# Allegro board STANDARD.brd (continued)
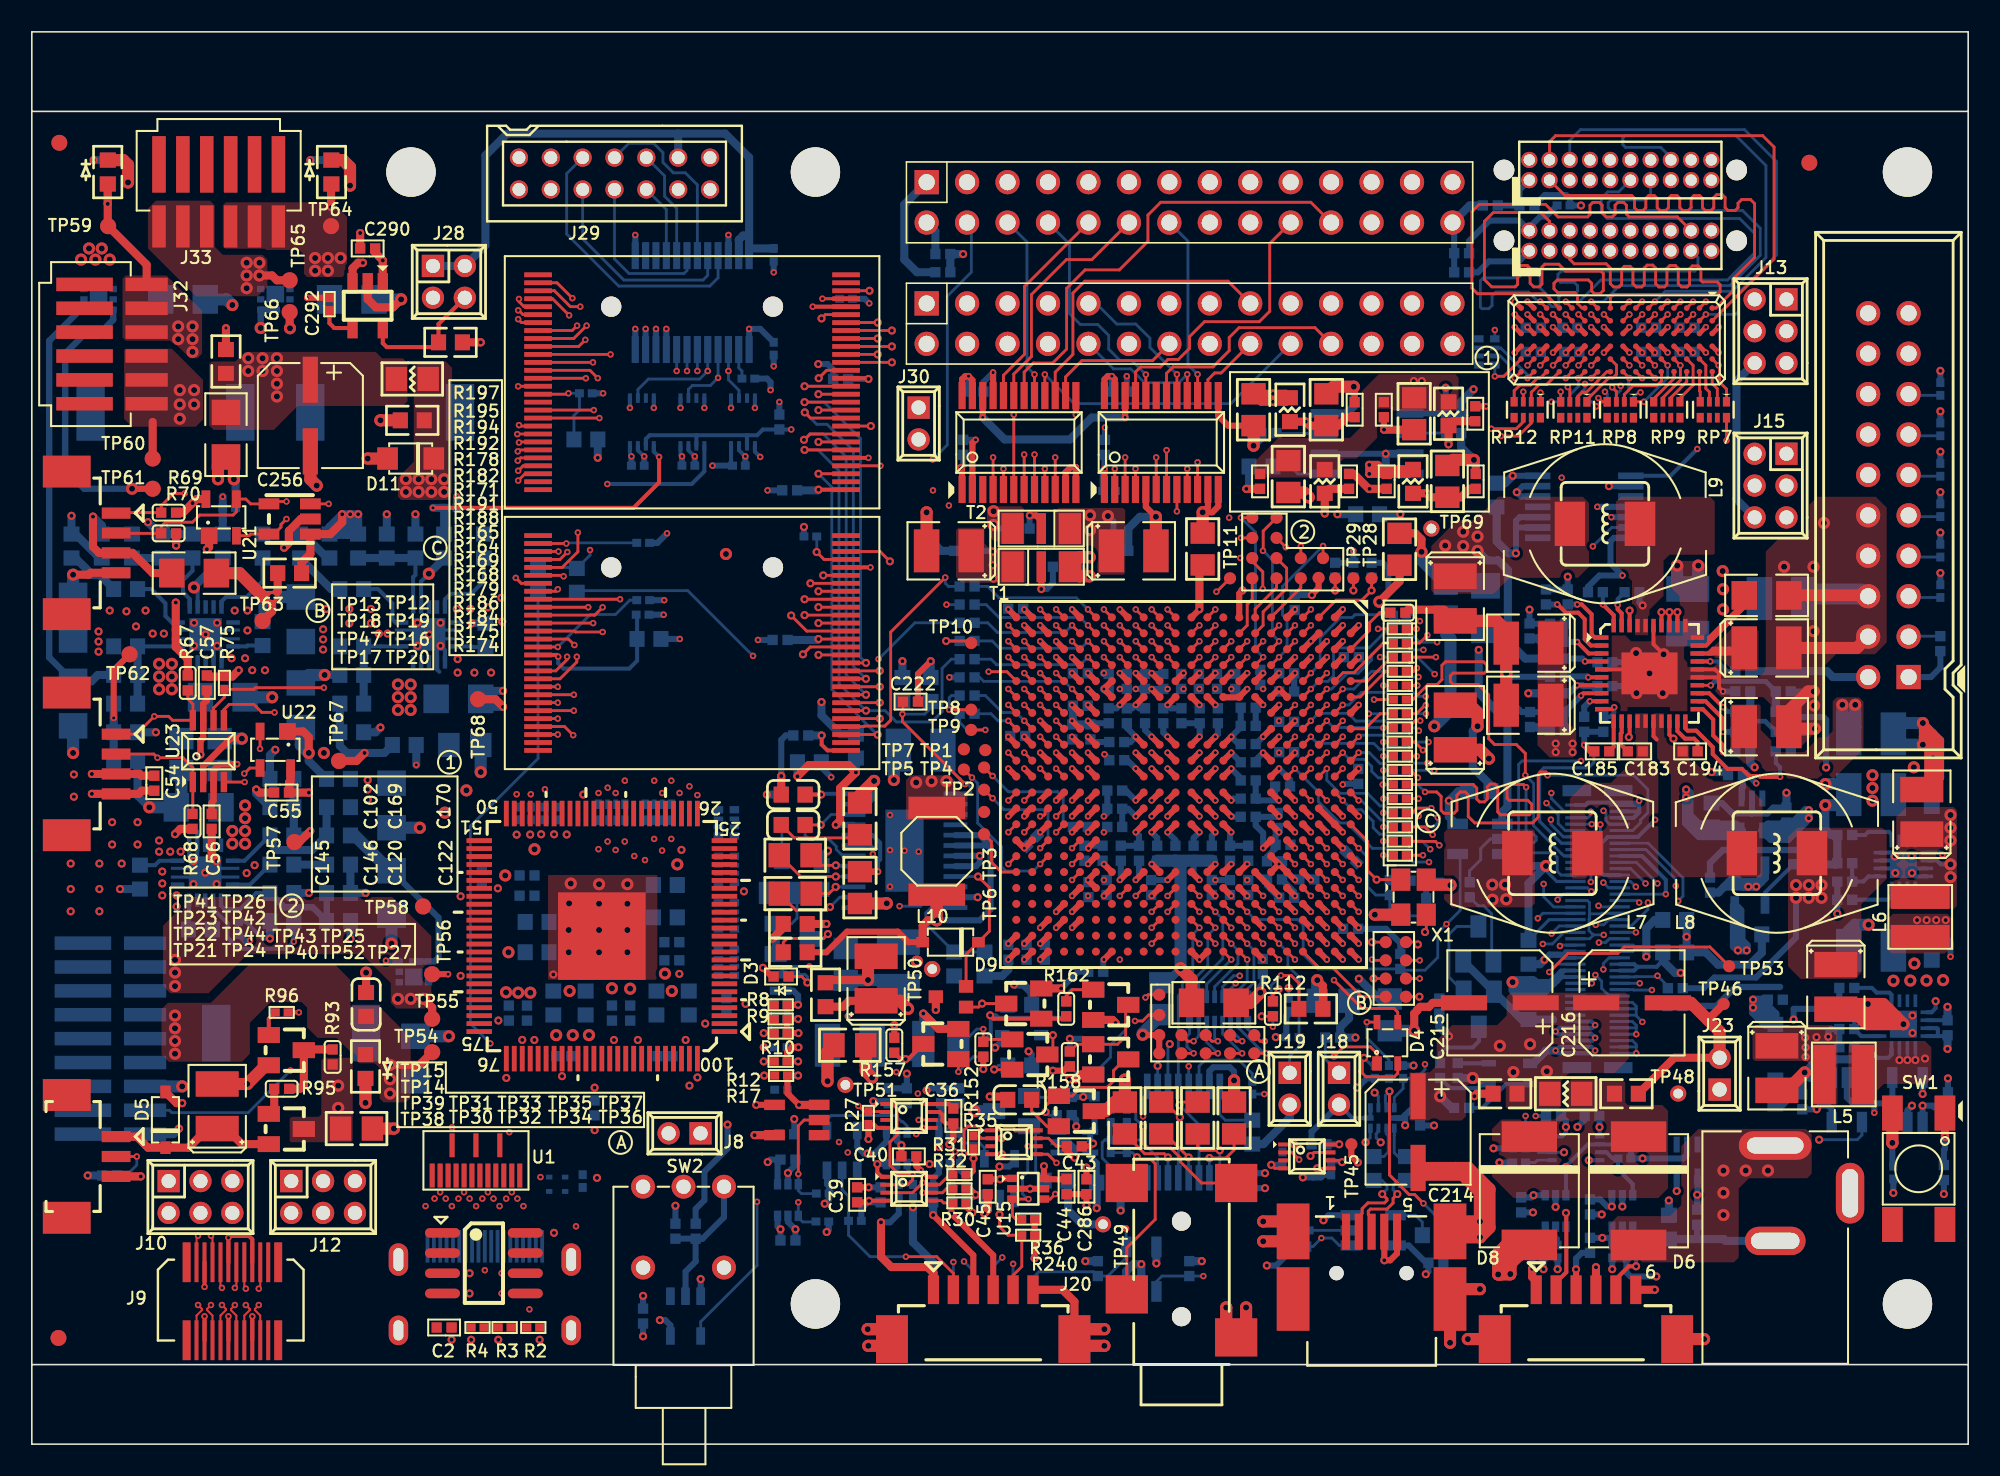
[diagram p0: board, top side]
## Placement (name value [footprint] x y rotation side) (continued)
J28  -  [951204-8622-AR]  25.19 72.03 0 top
J29  B14B-PHDSS(LF)(SN)(P)  [B14B-PHDSS]  30.59 78.84 0 top
J30  -  [951102-8622-AR]  55.69 65.13 270 top
J31  87438-0943  [HDR_1X9_MOLEX]  7.11 25.48 0 bottom
J32  87438-0643  [HDR_1X6_MOLEX]  7.21 69.12 0 top
J33  87438-0643  [HDR_1X6_MOLEX]  11.73 76.51 270 top
L1  MMZ1005D330C  [L0402]  31.1 27.09 270 bottom
L2  MMZ1005D330C  [L0402]  40.19 31.54 180 bottom
L3  MMZ1005D330C  [L0402]  37.57 27.09 270 bottom
L4  MMZ1005D330C  [L0402]  31.1 34.46 0 bottom
L5  2.2 uH  [XFL4020]  113.79 23.23 270 top
L6  2.2 uH  [XFL4020]  118.59 33.13 180 top
L7  4.7 uH  [SRR1005]  95.49 37.13 180 top
L8  4.7 uH  [SRR1005]  109.59 37.13 0 top
L9  4.7 uH  [SRR1005]  98.79 57.83 180 top
L10  22 uH  [DT1608A]  56.83 37.26 270 top
L11  3.3u  [MSS1048]  16.29 25.83 270 bottom
L12  3.3u  [MSS1048]  8.39 64.83 90 bottom
L13  3.3u  [MSS1048]  22.19 64.83 90 bottom
NOREF  -  [unnamed]  1.73 81.77 0 top
NOREF#2  -  [unnamed]  111.63 80.52 0 top
NOREF#3  -  [unnamed]  1.67 6.67 0 top
NOREF#4  -  [unnamed#2]  20 5 0 top
NOREF#5  -  [unnamed]  111.63 80.52 180 bottom
NOREF#6  -  [unnamed]  1.73 81.77 180 bottom
NOREF#7  -  [unnamed]  1.67 6.67 180 bottom
Q1  2N2222A  [SOT23AVXD]  15.98 19.8 270 top
Q2  2N2222A  [SOT23AVXD]  15.98 24.76 270 top
Q3  MMBT6427  [SOT23AVXD]  90.87 27.33 0 bottom
Q4  2N2222A  [SOT23AVXD]  90.84 31.43 180 bottom
Q5  DMP2160UW-7  [SOT323]  57.72 28.11 90 top
Q6  2N2907A  [SOT23-3_FC]  67.75 27.61 90 bottom
Q7  FDV303N  [SPT23AVXD]  62.29 27.68 90 top
Q8  2N2907A  [SOT23-3_FC]  62.67 24.48 270 top
Q9  2N2222A  [SOT23AVXD]  61.53 20.93 270 bottom
Q10  2N2907A  [SOT23-3_FC]  65.59 20.93 270 top
Q11  2N2222A  [SOT23AVXD]  57.08 25.14 90 bottom
Q12  2N2222A  [SOT23AVXD]  67.75 24.18 90 bottom
Q13  2N2222A  [SOT23AVXD]  67.75 24.18 270 top
Q14  2N2222A  [SOT23AVXD]  57.08 25.14 90 top
Q15  2N2222A  [SOT23AVXD]  67.75 27.61 270 top
Q16  N-NextFET Power MOSFET  [U_6_SON]  23.99 29.68 90 bottom
Q17  N-NextFET Power MOSFET  [U_6_SON]  4.19 71.93 270 bottom
Q18  N-NextFET Power MOSFET  [U_6_SON]  15.29 71.93 270 bottom
R1  10K  [RES_0201]  34.59 16.53 90 bottom
R2  2.2K  [RES_0201]  31.49 7.33 180 top
R3  2.2K  [RES_0201]  29.69 7.33 0 top
R4  10K  [RES_0201]  27.99 7.33 0 top
R5  100K  [RES_0201]  47.05 23.16 0 bottom
R6  100K  [RES_0201]  47.05 22.27 0 bottom
R7  100K  [RES_0201]  47.03 28.5 0 bottom
R8  100K  [RES_0201]  47.03 27.61 0 top
R9  NC_100K  [RES_0201]  47.03 26.72 0 top
R10  100K  [RES_0201]  47.03 25.83 0 top
R11  100K  [RES_0201]  47.03 24.94 0 bottom
R12  NC_100K  [RES_0201]  47.03 24.05 0 top
R13  100K  [RES_0201]  49.64 13.99 0 bottom
R14  100K  [RES_0201]  49.67 15.74 0 bottom
R15  22  [RES_0201]  33.11 39.63 90 bottom
R16  22  [RES_0201]  30.44 39.63 90 bottom
R17  NC_100K  [RES_0201]  47.05 23.16 180 top
R18  22  [RES_0201]  31.33 39.63 90 bottom
R19  NC_100K  [RES_0201]  47.03 27.61 180 bottom
R20  100K  [RES_0201]  47.03 26.72 180 bottom
R21  NC_100K  [RES_0201]  47.03 25.83 180 bottom
R22  100K  [RES_0201]  47.03 24.05 180 bottom
R23  22  [RES_0201]  32.22 39.63 90 bottom
R24  750  [RES_0201]  47.56 29.51 180 bottom
R25  100K  [RES_0201]  96.19 77.83 0 bottom
R26  10K  [RES_0201]  67.65 59.89 0 bottom
R27  100K  [RES_0201]  52.54 20.49 270 top
R28  10K  [RES_0201]  54.44 15.92 90 bottom
R29  100K  [RES_0201]  55.33 15.92 270 bottom
R30  100K  [RES_0201]  58.25 15.16 180 top
R31  100K  [RES_0201]  58.25 16.94 0 top
R32  100K  [RES_0201]  58.25 16.05 0 top
R33  10K  [RES_0201]  57.74 15.92 90 bottom
R34  100K  [RES_0201]  58.63 15.92 270 bottom
R35  100K  [RES_0201]  59.14 18.97 270 top
R36  100K  [RES_0201]  62.57 14.14 0 top
R37  100K  [RES_0201]  95.82 12.11 90 bottom
R38  100K  [RES_0201]  94.93 12.11 270 bottom
R39  100K  [RES_0201]  100.14 12.11 90 bottom
R40  100K  [RES_0201]  99.25 12.11 270 bottom
R41  100K  [RES_0201]  93.41 17.7 0 bottom
R42  100K  [RES_0201]  93.41 19.48 180 bottom
R43  100K  [RES_0201]  100.01 18.84 0 bottom
R44  100K  [RES_0201]  100.01 17.95 0 bottom
R45  100K  [RES_0201]  93.41 18.59 180 bottom
R46  10K  [RES_0201]  38.39 56.63 0 bottom
R47  10K  [RES_0201]  38.39 53.03 0 bottom
R48  10K  [RES_0201]  34.79 66.03 180 bottom
R49  10K  [RES_0201]  51.13 71.96 180 bottom
R50  33.2  [RES_0402]  58.74 47.04 0 bottom
R51  10K  [RES_0201]  38.35 52.12 180 bottom
R52  10K  [RES_0201]  48.89 57.03 0 bottom
R53  33.2  [RES_0402]  58.74 45.89 0 bottom
R54  33.2  [RES_0402]  58.74 51.61 0 bottom
R55  33.2  [RES_0402]  58.74 49.32 0 bottom
R56  0  [RES_0603]  34.79 63.13 0 bottom
R57  0  [RES_0603]  38.76 50.59 0 bottom
R58  33.2  [RES_0402]  58.74 50.47 0 bottom
R59  33.2  [RES_0402]  58.74 52.75 0 bottom
R62  33.2  [RES_0402]  58.74 53.9 0 bottom
R65  0  [RES_0603]  34.22 54.28 270 bottom
R66  0  [RES_0603]  31.79 54.33 270 bottom
R67  1K  [RES_0402]  9.79 47.83 90 top
R68  1K  [RES_0402]  10.09 39.13 270 top
R69  1K  [RES_0402]  8.59 58.53 0 top
R70  1K  [RES_0402]  8.59 57.23 0 top
R71  1K  [RES_0402]  81.7 25.55 0 bottom
R72  330  [RES_0201]  85.23 23.39 270 bottom
R73  330  [RES_0201]  84.34 23.39 270 bottom
R74  100K  [RES_0201]  79.18 25.57 180 bottom
R75  100K  [RES_0201]  12.09 47.83 90 top
R76  0  [RES_0603]  76.64 19.61 270 bottom
R77  0  [RES_0201]  68.77 18.72 90 bottom
R78  NC_0  [RES_0201]  68.77 20.62 270 bottom
R79  3.3K  [RES_0402]  82.99 54.91 90 bottom
R80  3.3K  [RES_0402]  84.14 54.91 90 bottom
R81  1K  [RES_0402]  81.85 54.91 90 bottom
R82  NC_0  [RES_0201]  67.75 18.72 90 bottom
R83  0  [RES_0201]  76.64 22.4 270 bottom
R84  0  [RES_0201]  67.75 20.62 270 bottom
R85  3.3K  [RES_0402]  79.56 12.42 180 bottom
R86  100K  [RES_0201]  81.59 17.32 270 bottom
R87  100K  [RES_0201]  78.55 17.95 270 bottom
R88  100K  [RES_0201]  79.82 13.43 0 bottom
R89  1.5K  [RES_0603]  88.07 13.13 180 bottom
R90  22  [RES_0603]  84.26 17.32 90 bottom
R91  22  [RES_0603]  86.29 17.32 90 bottom
R92  100K  [RES_0201]  86.12 23.39 90 bottom
R93  1.5K  [RES_0402]  18.89 24.33 270 top
R94  3.3K  [RES_0402]  4.89 16.88 180 bottom
R95  1.5K  [RES_0402]  15.69 22.33 180 top
R96  10K  [RES_0201]  15.69 27.13 180 top
R97  100K  [RES_0402]  113.85 34.21 180 bottom
R98  680K  [RES_0402]  113.85 35.35 180 bottom
R99  100K  [RES_0402]  113.98 24.94 180 bottom
R100  130K  [RES_0402]  113.85 36.5 0 bottom
R101  1K  [RES_0402]  66.94 11.03 90 bottom
R102  10K  [RES_0201]  116.9 17.07 90 bottom
R103  1K  [RES_0402]  119.85 50.3 270 bottom
R104  10K  [RES_0201]  119.85 53.6 270 bottom
R105  10K  [RES_0201]  119.85 56.14 270 bottom
R106  10K  [RES_0201]  119.85 58.68 270 bottom
R107  10K  [RES_0201]  119.85 61.22 270 bottom
R108  10K  [RES_0201]  119.85 63.76 270 bottom
R109  10K  [RES_0201]  119.85 66.3 270 bottom
R110  10K  [RES_0402]  72.69 11.03 270 bottom
R111  100  [RES_0402]  120.08 17.07 90 bottom
R112  33  [RES_0402]  77.94 27.35 90 top
R113  4.7K  [RES_0402]  58.74 48.18 0 bottom
R114  10K  [RES_0201]  78.93 27.61 270 bottom
R115  40.2K  [RES_0402]  95.81 47.18 180 bottom
R116  100K  [RES_0402]  98.69 45.23 90 bottom
R117  10K  [RES_0402]  106.99 42.03 0 bottom
R118  20K  [RES_0402]  95.79 44.83 180 bottom
R119  80.6K  [RES_0402]  98.79 47.63 180 bottom
R120  10K  [RES_0402]  89.29 64.73 180 bottom
R121  40.2K  [RES_0402]  109.99 46.03 0 bottom
R122  150K  [RES_0402]  107.45 43.49 180 bottom
R123  20K  [RES_0402]  107.45 46.03 0 bottom
R124  29.4K  [RES_0402]  109.99 47.3 180 bottom
R125  10K  [RES_0402]  89.29 63.53 0 bottom
R126  40.2K  [RES_0402]  95.81 49.36 180 bottom
R127  150K  [RES_0402]  96.45 53.23 270 bottom
R128  20K  [RES_0402]  95.81 50.41 180 bottom
R129  7.68K  [RES_0402]  98.79 49.13 180 bottom
R130  383K  [RES_0402]  95.81 48.22 0 bottom
R131  10K  [RES_0402]  107.45 48.57 180 bottom
R132  1K  [RES_0402]  89.79 21.13 0 bottom
R133  3.3K  [RES_0402]  89.54 23.48 90 bottom
R134  3.3K  [RES_0402]  88.39 27.53 90 bottom
R135  3.3K  [RES_0402]  88.44 23.48 90 bottom
R136  10K  [RES_0402]  90.29 34.83 270 bottom
R137  1M  [RES_0402]  85.28 34.97 270 bottom
R138  100  [RES_0402]  85.79 33.19 180 bottom
R139  100K  [RES_0201]  12.99 32.43 270 bottom
R140  1K  [RES_0402]  77.94 27.35 90 bottom
R141  0  [RES_0603]  47.81 40.81 0 bottom
R142  10K  [RES_0603]  47.81 40.81 180 top
R143  360K  [RES_0603]  56.45 47.42 270 bottom
R144  15K  [RES_0603]  47.81 38.91 0 top
R145  56.0K  [RES_0603]  54.67 47.42 270 bottom
R146  75K  [RES_0603]  48.83 42.85 180 bottom
R147  620K  [RES_0603]  51.75 43.86 90 bottom
R148  680K  [RES_0603]  57.92 30.17 90 bottom
R149  56.0K  [RES_0603]  59.83 30.17 90 bottom
R150  10K  [RES_0402]  64.96 27.35 90 bottom
R151  2.2K  [RES_0603]  62.04 27.61 180 bottom
R152  10K  [RES_0402]  59.75 24.81 90 top
R153  12  [RES_0603]  62.04 23.8 180 bottom
R154  10K  [RES_0402]  64.83 20.67 180 bottom
R155  12  [RES_0603]  62.04 21.64 0 top
R156  3.3K  [RES_0402]  64.83 21.81 180 bottom
R157  3.3K  [RES_0402]  54.16 25.07 270 top
R158  2.2K  [RES_0402]  65.19 24.2 90 top
R159  10K  [RES_0402]  59.75 24.81 270 bottom
R160  33K  [RES_0402]  65.19 24.2 90 bottom
R161  12  [RES_0603]  64.32 16.56 0 bottom
R162  10K  [RES_0402]  64.96 27.35 90 top
R163  5.1  [RES_0201]  85.91 43.23 180 bottom
R164  5.1  [RES_0201]  85.91 43.23 180 top
R165  5.1  [RES_0201]  85.91 44.12 180 top
R166  5.1  [RES_0201]  85.91 44.12 180 bottom
R167  5.1  [RES_0201]  85.91 50.34 180 bottom
R168  5.1  [RES_0201]  85.91 41.45 180 top
R169  5.1  [RES_0201]  85.91 42.34 180 top
R170  5.1  [RES_0201]  85.91 48.56 180 bottom
R171  5.1  [RES_0201]  85.91 46.78 180 top
R172  5.1  [RES_0201]  85.91 42.34 180 bottom
R173  5.1  [RES_0201]  85.91 47.67 180 bottom
R174  5.1  [RES_0201]  85.91 37 180 top
R175  5.1  [RES_0201]  85.91 37.89 180 top
R176  5.1  [RES_0201]  85.91 37.89 180 bottom
R177  5.1  [RES_0201]  85.91 38.78 180 bottom
R178  5.1  [RES_0201]  85.91 48.56 180 top
R179  5.1  [RES_0201]  85.91 40.56 180 top
R180  5.1  [RES_0201]  85.91 49.45 180 bottom
R181  5.1  [RES_0201]  85.91 41.45 180 bottom
R182  5.1  [RES_0201]  85.91 47.67 180 top
R183  5.1  [RES_0201]  85.91 37 180 bottom
R184  5.1  [RES_0201]  85.91 38.78 180 top
R185  5.1  [RES_0201]  85.91 39.67 180 bottom
R186  5.1  [RES_0201]  85.91 39.67 180 top
R187  5.1  [RES_0201]  85.91 45.01 180 bottom
R188  5.1  [RES_0201]  85.91 45.01 180 top
R189  30K  [RES_0402]  103.21 28.65 180 bottom
R190  5.1  [RES_0201]  85.91 45.89 180 bottom
R191  5.1  [RES_0201]  85.91 45.89 180 top
R192  20  [RES_0201]  85.91 49.45 180 top
R193  20  [RES_0201]  85.91 51.23 180 bottom
R194  20  [RES_0201]  85.91 50.34 180 top
R195  20  [RES_0201]  85.91 51.23 180 top
R196  20  [RES_0201]  85.91 52.12 180 bottom
R197  160  [RES_0402]  85.79 52.24 180 top
R198  10K  [RES_0402]  46.95 64.23 270 bottom
R199  10K  [RES_0201]  44.99 66.95 180 bottom
R200  56.2k  [RES_0603]  6.79 35.63 90 bottom
R201  1k  [RES_0603]  20.99 27.63 270 top
R202  NC_9.09k  [RES_0603]  19.26 32.86 0 bottom
R203  1k  [RES_0603]  15.7 36.41 0 bottom
R204  NC_ 1k  [RES_0603]  15.7 34.64 180 bottom
R205  1k  [RES_0603]  15.7 32.86 180 bottom
R206  1k  [RES_0603]  15.7 41.8 180 bottom
R207  28.7k  [RES_0603]  15.7 38.25 0 bottom
R208  1k  [RES_0603]  19.26 38.25 180 bottom
R209  3.48k  [RES_0603]  19.26 40.02 180 bottom
R210  20m  [RES_1206]  22.59 34.63 90 bottom
R211  56.2k  [RES_0603]  14.49 50.93 270 bottom
R212  1k  [RES_0603]  4.79 79.93 270 bottom
R213  NC_9.09k  [RES_0603]  6.29 56.43 90 bottom
R214  1k  [RES_0603]  5.89 53.73 180 bottom
R215  NC_1k  [RES_0603]  8.19 56.43 270 bottom
R216  1k  [RES_0603]  11.99 56.43 90 bottom
R217  1k  [RES_0603]  5.89 44.73 0 bottom
R218  28.7k  [RES_0603]  5.89 46.53 180 bottom
R219  1k  [RES_0603]  5.89 48.33 0 bottom
R220  3.48k  [RES_0603]  5.89 50.13 0 bottom
R221  20m  [RES_1206]  2.59 46.53 90 bottom
R222  56.2k  [RES_0603]  28.49 50.83 270 bottom
R223  1k  [RES_0603]  18.79 79.93 270 bottom
R224  NC_9.09k  [RES_0603]  20.49 56.43 90 bottom
R225  1k  [RES_0603]  20.09 53.73 180 bottom
R226  NC_1k  [RES_0603]  22.29 56.43 270 bottom
R227  1k  [RES_0603]  25.89 56.43 90 bottom
R228  1k  [RES_0603]  20.09 44.73 0 bottom
R229  28.7k  [RES_0603]  20.09 46.53 180 bottom
R230  1k  [RES_0603]  20.09 48.33 0 bottom
R231  3.48k  [RES_0603]  20.09 50.13 0 bottom
R232  20m  [RES_1206]  16.89 46.43 90 bottom
R233  10K  [RES_0402]  41.69 13.38 270 bottom
R234  10K  [RES_0402]  85.94 30.33 270 bottom
R235  240K  [RES_0402]  113.98 27.23 0 bottom
R236  750K  [RES_0402]  113.98 26.08 180 bottom
R237  100K  [RES_0201]  12.39 58.83 0 bottom
R238  100K  [RES_0201]  26.29 58.83 0 bottom
R239  100K  [RES_0201]  51.69 14.03 0 bottom
R240  100K  [RES_0201]  62.57 13.13 0 top
RN1  33  [RPACK_16]  72.71 28.11 0 bottom
RP1  22  [0804_2010_METRIC]  43.12 29.45 90 bottom
RP2  22  [0804_2010_METRIC]  43.12 32.37 90 bottom
RP3  22  [0804_2010_METRIC]  43.12 35.29 90 bottom
RP4  22  [0804_2010_METRIC]  43.12 38.21 90 bottom
RP5  22  [0804_2010_METRIC]  40.16 39.21 180 bottom
RP6  22  [0804_2010_METRIC]  37.24 39.21 180 bottom
RP7  22  [0804_2010_METRIC]  106.42 65.5 180 top
RP8  22  [0804_2010_METRIC]  100.58 65.5 180 top
RP9  22  [0804_2010_METRIC]  103.5 65.5 180 top
RP10  22  [0804_2010_METRIC]  98.93 65.5 0 bottom
RP11  22  [0804_2010_METRIC]  97.66 65.5 180 top
RP12  22  [0804_2010_METRIC]  94.74 65.5 180 top
RP13  22  [0804_2010_METRIC]  91.88 69.45 270 bottom
RP14  22  [0804_2010_METRIC]  96.01 65.5 0 bottom
SW1  SW SPST  [SW_GT12]  118.49 17.3 270 top
SW2  B12AH  [NKK-B12AH]  40.93 13.64 0 top
T1  ACH3218  [FILTER_1210]  63.39 55.13 0 top
T2  ACH3218  [FILTER_1210]  63.39 57.53 180 top
TP1  Testpoint  [TP]  59.88 43.61 0 top
TP2  Testpoint  [TP]  59.8 41.12 0 top
TP3  Testpoint  [TP]  59.8 39.72 0 top
TP4  Testpoint  [TP]  59.8 42.52 0 top
TP5  Testpoint  [TP]  58.53 42.39 0 top
TP6  Testpoint  [TP]  59.8 38.32 0 top
TP7  Testpoint  [TP]  58.53 43.66 0 top
TP8  Testpoint  [TP]  58.99 46.15 0 top
TP9  Testpoint  [TP]  58.99 44.88 0 top
TP10  Testpoint  [TP]  58.99 50.34 0 top
TP11  Testpoint  [TP]  75.25 54.4 90 top
TP12  Testpoint  [TP]  86.29 31.54 90 top
TP13  Testpoint  [TP]  85.02 31.54 90 top
TP14  Testpoint  [TP]  70.8 26.97 90 top
TP15  Testpoint  [TP]  70.8 28.24 90 top
TP16  Testpoint  [TP]  86.29 29.26 90 top
TP17  Testpoint  [TP]  85.02 28.11 90 top
TP18  Testpoint  [TP]  85.02 30.4 90 top
TP19  Testpoint  [TP]  86.29 30.4 90 top
TP20  Testpoint  [TP]  86.29 28.11 90 top
TP21  Testpoint  [TP]  76.64 54.4 90 top
TP22  Testpoint  [TP]  76.64 55.67 90 top
TP23  Testpoint  [TP]  76.64 56.94 90 top
TP24  Testpoint  [TP]  78.17 54.4 90 top
TP25  Testpoint  [TP]  81.09 55.67 0 top
TP26  Testpoint  [TP]  78.17 58.21 0 top
TP27  Testpoint  [TP]  81.85 54.4 0 top
TP28  Testpoint  [TP]  84.14 54.4 0 top
TP29  Testpoint  [TP]  82.99 54.4 0 top
TP30  Testpoint  [TP]  72.2 24.56 0 top
TP31  Testpoint  [TP]  72.2 25.7 0 top
TP32  Testpoint  [TP]  73.72 24.56 0 top
TP33  Testpoint  [TP]  73.72 25.7 0 top
TP34  Testpoint  [TP]  75.25 24.56 0 top
TP35  Testpoint  [TP]  75.25 25.7 0 top
TP36  Testpoint  [TP]  76.77 24.56 0 top
TP37  Testpoint  [TP]  76.77 25.7 0 top
TP38  Testpoint  [TP]  70.8 24.56 0 top
TP39  Testpoint  [TP]  70.8 25.7 0 top
TP40  Testpoint  [TP]  79.69 54.4 0 top
TP41  Testpoint  [TP]  76.64 58.21 0 top
TP42  Testpoint  [TP]  78.17 56.94 0 top
TP43  Testpoint  [TP]  79.69 55.67 0 top
TP44  Testpoint  [TP]  78.17 55.67 0 top
TP45  Testpoint  [TP]  82.87 18.84 90 top
TP46  Testpoint  [TP]  106.25 27.65 90 top
TP47  Testpoint  [TP]  85.02 29.26 90 top
TP48  Testpoint  [TP40_24]  103.39 22.03 90 top
TP49  Testpoint  [TP40_24]  67.27 13.81 90 top
TP50  Testpoint  [TP40_24]  56.54 29.85 90 top
TP51  Testpoint  [TP40_24]  51.09 22.58 90 top
TP52  Testpoint  [TP]  80.81 54.43 90 top
TP53  Testpoint  [TP]  106.59 30.03 90 top
TP54  TESTPIN  [TP40]  25.14 24.63 90 top
TP55  TESTPIN  [TP40]  25.14 26.73 90 top
TP56  TESTPIN  [TP40]  25.14 29.53 90 top
TP57  TESTPIN  [TP40]  16.49 37.83 90 top
TP58  TESTPIN  [TP40]  24.57 33.78 90 top
TP59  TESTPIN  [TP40]  4.79 76.53 90 top
TP60  TESTPIN  [TP40]  7.59 61.93 90 top
TP61  TESTPIN  [TP40]  7.59 60.03 90 top
TP62  TESTPIN  [TP40]  6.14 49.63 90 top
TP63  TESTPIN  [TP40]  14.49 51.73 90 top
TP64  TESTPIN  [TP40]  18.79 76.53 90 top
TP65  TESTPIN  [TP40]  16.19 73.13 90 top
TP66  TESTPIN  [TP40]  16.19 71.13 90 top
TP67  TESTPIN  [TP40]  19.29 42.93 90 top
TP68  TESTPIN  [TP40]  28.03 46.81 90 top
TP69  Testpoint  [TP40_24]  87.89 57.53 0 top
U1  TPD8S009DSM  [TPD8S009]  27.89 17.83 0 top
U2  M24C02-WMN6TP  [SOP8]  28.39 11.37 270 top
U3  TFP401APZP  [PZP_100]  35.8 31.92 180 top
U4  SN74AVC1T45DCK  [DCK]  47.48 15.34 0 bottom
U5  SN74LVC1G04DBV  [DBV]  48.04 20.37 180 top
U6  SN74AVC32T245ZKE  [96LFBGA]  99.53 69.38 270 top
U7  DLPC350  [BGA_419]  72.32 41.45 270 top
U8  SN74AVC8T245PW  [PW]  61.99 62.94 90 top
U9  SN74AVC8T245PW  [PW]  70.93 62.94 90 top
U10  SN74LVC2G157DCU  [DCU]  55.09 20.62 0 top
U11  SN74AVC1T45DCK  [DCK]  54.32 18.59 0 bottom
U12  SN74AVC2T45DCU  [DCU]  55.09 16.05 0 top
U13  SN74AVC1T45DCK  [DCK]  57.62 18.59 0 bottom
U14  SN74LVC2G157DCU  [DCU]  61.68 18.97 0 top
U15  SN74AVC1T45DCK  [DCK]  62.57 16.05 270 top
U16  SN74AVC1T45DCK  [DCK]  95.69 14.65 0 bottom
U17  SN74AVC1T45DCK  [DCK]  99.88 14.65 0 bottom
U18  SN74AVC2T45DCU  [DCU]  96.96 18.59 180 bottom
U19  M29DW128GL70N  [TSOP-56]  41.46 66.72 0 top
U20  M29DW128GL70N  [TSOP-56]  41.46 50.34 0 top
U21  TPD2E001DZD  [SOP_4]  11.89 58.23 90 top
U22  TPD2E001DZD  [SOP_4]  15.29 43.63 270 top
U23  TXS0102DCT  [TXS0102_DCT]  11.09 43.54 90 top
U24  MAX3232CPWR  [SOIC16-PW_TI]  72.32 19.61 90 bottom
U25  SN74LVC2G157DCU  [DCU]  80.07 18.08 0 top
U26  SN74LVC1G125DBVR  [SOT23-DBV_TI]  84.24 13.43 0 bottom
U27  TS3USB221ARSER  [RSE]  84.81 20.49 180 bottom
U28  TLV62130RGT  [RGT]  117.54 36.42 90 bottom
U29  TLV62130RGT  [RGT]  117.54 26.39 90 bottom
U30  SN74LVC1G125DBVR  [SOT23-DBV_TI]  69.67 11 90 bottom
U31  TPS3838K33DBVT  [SOT23-DBV_TI]  117.79 21.64 90 bottom
U32  SN74LVC1G07DBVR  [SOT23-DBV_TI]  113.98 21.64 270 bottom
U33  TPS65251RHAR  [QFN_40]  101.59 48.43 0 top
U34  TPS79718DCKT  [TI_DCK]  108.03 39.57 270 bottom
U35  TL7712ACD  [8-SOIC]  83.85 62.86 0 bottom
U36  SN74AHC1G09DVB  [TI_DVB]  90.94 38.03 180 bottom
U37  SN74HC21PWR  [14-SOIC]  97.49 58.89 180 bottom
U38  TPS65145PWP  [SOIC24-PWP_TI]  54.8 37.29 180 bottom
U39  TPS73025DBV  [TI_DBV]  107.89 35.13 270 bottom
U40  SN74LVC2G157DCU  [DCU]  44.66 64.23 270 bottom
U41  SN74LVC2G157DCU  [DCU]  41.48 64.23 270 bottom
U42  SN74AVC8T245PW  [PW]  41.47 71.73 90 bottom
U43  SN74LVC2G157DCU  [DCU]  38.31 64.23 270 bottom
U44  MCP3021A5T-E/OT  [SOT23-5]  16.19 58.13 90 top
U45  TPS54620RGY  [RGY]  10.88 35.91 0 bottom
U46  TPS54620RGY  [RGY]  10.91 50.88 180 bottom
U47  TPS54620RGY  [RGY]  24.94 50.88 180 bottom
U48  TPS79718DCKT  [TI_DCK]  65.47 18.97 0 bottom
U49  TPS79718DCKT  [TI_DCK]  103.95 17.83 270 bottom
U50  TPS79318DBV  [TI_DVB]  21.09 71.53 270 top
U51  SN74LVC1G17DBV  [TI_DBV]  50.89 18.46 90 bottom
U52  SN74LVC1G17DBV  [TI_DBV]  60.77 16.68 90 bottom
U55  SN74LVC1G17DBV  [TI_DBV]  41.05 8.05 270 bottom
X1  32.0 MHZ  [3_2MM_2_5MM]  86.77 34.37 270 top

## Library data of the parts
C1-C6 C11 C12 C17-C213 C217-C219 C221 C223 C224 C231 C233 C234 C236 C237 C239-C255 C257-C300 = CAP NP
C7-C10 C13-C16 = SC2D2U10V3ZY_0
C214-C216 C256 = CAP POL
C220 C222 C225-C230 C232 C235 C238 = CAP_NP_dsize
D1 D2 = ESD9C
D3 = LED_0
D4 D7 = DUAL_COLOR_LED
D5 D9 = DIODE_SCHOTTKY_dsize
D6 = DIODE_SCHOTTKY
D8 = DIODE_TVS
D10-D14 = DIODE ZENER
DN1 DN2 = BAT54SW
FB1-FB4 FB6 L1-L13 = INDUCTOR
FB5 FB7 = FERRITE
J1 J4 J9 = CONN20_2x10
J3 J6 = HEADER_2X14_J: Tolerance: X; User Part Number: X
J7 = MHDMI CONN_0
J8 J18 J19 J23 J30 = HEADER_1X1
J10 J12 J13 J15 = HEADER_2X3
J11 J14 J25 = CONN_6
J16 J17 = CON4
J20 = PHONEJACK STEREO_5
J21 = CON4_0
J22 = CON3
J24 = CON20A: Tolerance: X; User Part Number: X
J26 = CON_PWRJACK3_RAPC712: User Part Number: X; Tolerance: X
J27 = CONN SOCKET AXT580124
J28 = HEADER_2X2
J29 = HDR7X2_M
J31 = HDR_1X9_M
J32 J33 = HDR_1X6_M
Q1-Q4 Q9 Q11-Q15 = 2N2222A
Q5 = DMP2160UW
Q6 Q8 Q10 = 2N2907A
Q7 = FDV303N
Q16-Q18 = CSD16301Q2
R1-R4 R26 R28 R33 R46-R49 R51 R52 R96 R102 R104-R109 R114 R199 = 1KR2F
R5-R14 R17 R19-R22 R25 R27 R29-R32 R34-R45 R50 R53-R59 R62 R65-R76 R79-R81 R85-R95 R97-R101 R103 R110-R113 R115-R140 R146 R189 R197 R198 R233-R240 = R
R15 R16 R18 R23 = RESISTOR: signal model: RESISTOR_RES_0201_22_22_
R24 R77 R78 R82-R84 R150-R162 = RESISTOR
R141-R143 R145 R147-R149 = RESISTOR_dsize
R144 = RES
R163-R188 R190 R191 = R: signal model: R_RES_0201_5.1_5.1_
R192-R196 = R: signal model: R_RES_0201_20_20_
R200 R211 R222 = RESISTOR_H_TOL_1
R201-R210 R212-R221 R223-R232 = RESISTOR_V_TOL_3
RN1 = RESISTOR DIP 8
RP1-RP14 = RESARR_IS_4/SM: signal model: RESARR_IS_4/SM_0804_2010_METRIC_22_
SW1 = SW SPST_1
SW2 = SWITCH,SPDT
T1 T2 = ACH3218
TP1-TP53 TP69 = Testpoint
TP54-TP68 = TESTPIN
U1 = TPD8S009
U2 = M24C08L_dsize
U3 = TFP401APZP
U4 U11 U13 U15-U17 = SN74AVC1T245
U5 = SN74LVC1G04DBV
U6 = SN74AVC32T245ZKE
U7 = DLPC350
U8 U9 U42 = SN74AVC8T245PW
U10 U14 U25 U40 U41 U43 = 74LVC2G157
U12 U18 = SN74AVC2T45DCU
U19 U20 = M29DW128GL70N
U21 U22 = TPD2E001
U23 = TXS0102
U24 = MAX3232
U26 U30 = 74LVC1G125
U27 = TS3USB221A
U28 U29 = TLV62130
U31 = TPS3838
U32 = 74LVC1G07_0
U33 = TPS65251
U34 U48 U49 = TPS79718_1
U35 = TL7712A
U36 = SN74AHC1G09
U37 = SN74HC21
U38 = TPS65145_1
U39 = TPS73025
U44 = MCP3021
U45-U47 = TPS54620RGY
U50 = TPS79318
U51 U52 U55 = SN74LVC1G17DBV
X1 = CRYSTAL_0

## Footprints (pads in the part's own frame, mm; a bottom-side part is the same pattern mirrored in y, then rotated)
3_2MM_2_5MM
  rect 1.4x1.2 smd: 1(-1.1,-0.8) 2(1.1,-0.8) 3(1.1,0.8) 4(-1.1,0.8)
4-SMD_GULL_WING
  rect 0.9x0.62 smd: 1(-1.3,0.65)
  rect 0.9x0.42 smd: 2(1.3,0.65) 3(-1.3,-0.65) 4(1.3,-0.65)
8-SOIC
  rect 1.7x0.55 smd: 1(-2.7,1.905) 2(-2.7,0.635) 3(-2.7,-0.635) 4(-2.7,-1.905) 5(2.7,-1.905) 6(2.7,-0.635) 7(2.7,0.635) 8(2.7,1.905)
14-SOIC
  rect 1.6x0.42 smd: 1(-2.925,1.95) 2(-2.925,1.3) 3(-2.925,0.65) 4(-2.925,0) 5(-2.925,-0.65) 6(-2.925,-1.3) 7(-2.925,-1.95) 8(2.925,-1.95) 9(2.925,-1.3) 10(2.925,-0.65) 11(2.925,0) 12(2.925,0.65) 13(2.925,1.3) 14(2.925,1.95)
96LFBGA
  round 0.35 smd: A1(-2,6) A2(-1.2,6) A3(-0.4,6) A4(0.4,6) A5(1.2,6) A6(2,6) B1(-2,5.2) B2(-1.2,5.2) B3(-0.4,5.2) B4(0.4,5.2) B5(1.2,5.2) B6(2,5.2) C1(-2,4.4) C2(-1.2,4.4) C3(-0.4,4.4) C4(0.4,4.4) C5(1.2,4.4) C6(2,4.4) D1(-2,3.6) D2(-1.2,3.6) D3(-0.4,3.6) D4(0.4,3.6) D5(1.2,3.6) D6(2,3.6) E1(-2,2.8) E2(-1.2,2.8) E3(-0.4,2.8) E4(0.4,2.8) E5(1.2,2.8) E6(2,2.8) F1(-2,2) F2(-1.2,2) F3(-0.4,2) F4(0.4,2) F5(1.2,2) F6(2,2) G1(-2,1.2) G2(-1.2,1.2) G3(-0.4,1.2) G4(0.4,1.2) G5(1.2,1.2) G6(2,1.2) H1(-2,0.4) H2(-1.2,0.4) H3(-0.4,0.4) H4(0.4,0.4) H5(1.2,0.4) H6(2,0.4) J1(-2,-0.4) J2(-1.2,-0.4) J3(-0.4,-0.4) J4(0.4,-0.4) J5(1.2,-0.4) J6(2,-0.4) K1(-2,-1.2) K2(-1.2,-1.2) K3(-0.4,-1.2) K4(0.4,-1.2) K5(1.2,-1.2) K6(2,-1.2) L1(-2,-2) L2(-1.2,-2) L3(-0.4,-2) L4(0.4,-2) L5(1.2,-2) L6(2,-2) M1(-2,-2.8) M2(-1.2,-2.8) M3(-0.4,-2.8) M4(0.4,-2.8) M5(1.2,-2.8) M6(2,-2.8) N1(-2,-3.6) N2(-1.2,-3.6) N3(-0.4,-3.6) N4(0.4,-3.6) N5(1.2,-3.6) N6(2,-3.6) P1(-2,-4.4) P2(-1.2,-4.4) P3(-0.4,-4.4) P4(0.4,-4.4) P5(1.2,-4.4) P6(2,-4.4) R1(-2,-5.2) R2(-1.2,-5.2) R3(-0.4,-5.2) R4(0.4,-5.2) R5(1.2,-5.2) R6(2,-5.2) T1(-2,-6) T2(-1.2,-6) T3(-0.4,-6) T4(0.4,-6) T5(1.2,-6) T6(2,-6)
0804_2010_METRIC
  rect 0.45x0.6 smd: 1(0,0) 4(1.65,0) 5(1.65,1) 8(0,1)
  rect 0.3x0.6 smd: 2(0.575,0) 3(1.075,0) 6(1.075,1) 7(0.575,1)
951102-8622-AR
  rect 1.4x1.4 hole 0.9: 1(0,0)
  round 1.4 hole 0.9: 2(2,0)
951204-8622-AR
  rect 1.4x1.4 hole 0.89: 1(0,2)
  round 1.4 hole 0.89: 2(0,0) 3(2,2) 4(2,0)
951206-8622-AR
  rect 1.4x1.4 hole 0.89: 1(0,2)
  round 1.4 hole 0.89: 2(0,0) 3(2,2) 4(2,0) 5(4,2) 6(4,0)
AXT580124
  rect 0.2x1.28 smd: M1(0,2.64) M2(0.4,2.64) M3(0.8,2.64) M4(1.2,2.64) M5(1.6,2.64) M6(2,2.64) M7(2.4,2.64) M8(2.8,2.64) M9(3.2,2.64) M10(3.6,2.64) M11(4,2.64) M12(4.4,2.64) M13(4.8,2.64) M14(5.2,2.64) M15(5.6,2.64) M16(6,2.64) M17(6.4,2.64) M18(6.8,2.64) M19(7.2,2.64) M20(7.6,2.64) M21(8,2.64) M22(8.4,2.64) M23(8.8,2.64) M24(9.2,2.64) M25(9.6,2.64) M26(10,2.64) M27(10.4,2.64) M28(10.8,2.64) M29(11.2,2.64) M30(11.6,2.64) M31(12,2.64) M32(12.4,2.64) M33(12.8,2.64) M34(13.2,2.64) M35(13.6,2.64) M36(14,2.64) M37(14.4,2.64) M38(14.8,2.64) M39(15.2,2.64) M40(15.6,2.64) P1(0,-0.14) P2(0.4,-0.14) P3(0.8,-0.14) P4(1.2,-0.14) P5(1.6,-0.14) P6(2,-0.14) P7(2.4,-0.14) P8(2.8,-0.14) P9(3.2,-0.14) P10(3.6,-0.14) P11(4,-0.14) P12(4.4,-0.14) P13(4.8,-0.14) P14(5.2,-0.14) P15(5.6,-0.14) P16(6,-0.14) P17(6.4,-0.14) P18(6.8,-0.14) P19(7.2,-0.14) P20(7.6,-0.14) P21(8,-0.14) P22(8.4,-0.14) P23(8.8,-0.14) P24(9.2,-0.14) P25(9.6,-0.14) P26(10,-0.14) P27(10.4,-0.14) P28(10.8,-0.14) P29(11.2,-0.14) P30(11.6,-0.14) P31(12,-0.14) P32(12.4,-0.14) P33(12.8,-0.14) P34(13.2,-0.14) P35(13.6,-0.14) P36(14,-0.14) P37(14.4,-0.14) P38(14.8,-0.14) P39(15.2,-0.14) P40(15.6,-0.14)
  rect 0.7x1.8 smd: Y1(-0.9,-0.05) Y2(16.5,-0.05) Z1(-0.9,2.55) Z2(16.5,2.55)
B14B-PHDSS
  round 1.143 hole 0.813: 1(0,2) 2(0,0) 3(2,2) 4(2,0) 5(4,2) 6(4,0) 7(6,2) 8(6,0) 9(8,2) 10(8,0) 11(10,2) 12(10,0) 13(12,2) 14(12,0)
BGA_419
  round 0.5 smd: A2(-9.5,10.5) A3(-8.5,10.5) A4(-7.5,10.5) A5(-6.5,10.5) A6(-5.5,10.5) A7(-4.5,10.5) A8(-3.5,10.5) A9(-2.5,10.5) A10(-1.5,10.5) A11(-0.5,10.5) A12(0.5,10.5) A13(1.5,10.5) A14(2.5,10.5) A15(3.5,10.5) A16(4.5,10.5) A17(5.5,10.5) A18(6.5,10.5) A19(7.5,10.5) A20(8.5,10.5) A21(9.5,10.5) A22(10.5,10.5) AA1(-10.5,-9.5) AA2(-9.5,-9.5) AA3(-8.5,-9.5) AA4(-7.5,-9.5) AA5(-6.5,-9.5) AA6(-5.5,-9.5) AA7(-4.5,-9.5) AA8(-3.5,-9.5) AA9(-2.5,-9.5) AA10(-1.5,-9.5) AA11(-0.5,-9.5) AA12(0.5,-9.5) AA13(1.5,-9.5) AA14(2.5,-9.5) AA15(3.5,-9.5) AA16(4.5,-9.5) AA17(5.5,-9.5) AA18(6.5,-9.5) AA19(7.5,-9.5) AA20(8.5,-9.5) AA21(9.5,-9.5) AA22(10.5,-9.5) AB1(-10.5,-10.5) AB2(-9.5,-10.5) AB3(-8.5,-10.5) AB4(-7.5,-10.5) AB5(-6.5,-10.5) AB6(-5.5,-10.5) AB7(-4.5,-10.5) AB8(-3.5,-10.5) AB9(-2.5,-10.5) AB10(-1.5,-10.5) AB11(-0.5,-10.5) AB12(0.5,-10.5) AB13(1.5,-10.5) AB14(2.5,-10.5) AB15(3.5,-10.5) AB16(4.5,-10.5) AB17(5.5,-10.5) AB18(6.5,-10.5) AB19(7.5,-10.5) AB20(8.5,-10.5) AB21(9.5,-10.5) AB22(10.5,-10.5) B1(-10.5,9.5) B2(-9.5,9.5) B3(-8.5,9.5) B4(-7.5,9.5) B5(-6.5,9.5) B6(-5.5,9.5) B7(-4.5,9.5) B8(-3.5,9.5) B9(-2.5,9.5) B10(-1.5,9.5) B11(-0.5,9.5) B12(0.5,9.5) B13(1.5,9.5) B14(2.5,9.5) B15(3.5,9.5) B16(4.5,9.5) B17(5.5,9.5) B18(6.5,9.5) B19(7.5,9.5) B20(8.5,9.5) B21(9.5,9.5) B22(10.5,9.5) C1(-10.5,8.5) C2(-9.5,8.5) C3(-8.5,8.5) C4(-7.5,8.5) C5(-6.5,8.5) C6(-5.5,8.5) C7(-4.5,8.5) C8(-3.5,8.5) C9(-2.5,8.5) C10(-1.5,8.5) C11(-0.5,8.5) C12(0.5,8.5) C13(1.5,8.5) C14(2.5,8.5) C15(3.5,8.5) C16(4.5,8.5) C17(5.5,8.5) C18(6.5,8.5) C19(7.5,8.5) C20(8.5,8.5) C21(9.5,8.5) C22(10.5,8.5) D1(-10.5,7.5) D2(-9.5,7.5) D3(-8.5,7.5) D4(-7.5,7.5) D5(-6.5,7.5) D6(-5.5,7.5) D7(-4.5,7.5) D8(-3.5,7.5) D9(-2.5,7.5) D10(-1.5,7.5) D11(-0.5,7.5) D12(0.5,7.5) D13(1.5,7.5) D14(2.5,7.5) D15(3.5,7.5) D16(4.5,7.5) D17(5.5,7.5) D18(6.5,7.5) D19(7.5,7.5) D20(8.5,7.5) D21(9.5,7.5) D22(10.5,7.5) E1(-10.5,6.5) E2(-9.5,6.5) E3(-8.5,6.5) E4(-7.5,6.5) E5(-6.5,6.5) E6(-5.5,6.5) E7(-4.5,6.5) E8(-3.5,6.5) E9(-2.5,6.5) E10(-1.5,6.5) E11(-0.5,6.5) E12(0.5,6.5) E13(1.5,6.5) E14(2.5,6.5) E15(3.5,6.5) E16(4.5,6.5) E17(5.5,6.5) E18(6.5,6.5) E19(7.5,6.5) E20(8.5,6.5) E21(9.5,6.5) E22(10.5,6.5) F1(-10.5,5.5) F2(-9.5,5.5) F3(-8.5,5.5) F4(-7.5,5.5) F5(-6.5,5.5) F6(-5.5,5.5) F7(-4.5,5.5) F8(-3.5,5.5) F9(-2.5,5.5) F10(-1.5,5.5) F11(-0.5,5.5) F12(0.5,5.5) F13(1.5,5.5) F14(2.5,5.5) F15(3.5,5.5) F16(4.5,5.5) F17(5.5,5.5) F18(6.5,5.5) F19(7.5,5.5) F20(8.5,5.5) F21(9.5,5.5) F22(10.5,5.5) G1(-10.5,4.5) G2(-9.5,4.5) G3(-8.5,4.5) G4(-7.5,4.5) G5(-6.5,4.5) G6(-5.5,4.5) G17(5.5,4.5) G18(6.5,4.5) G19(7.5,4.5) G20(8.5,4.5) G21(9.5,4.5) G22(10.5,4.5) H1(-10.5,3.5) H2(-9.5,3.5) H3(-8.5,3.5) H4(-7.5,3.5) H5(-6.5,3.5) H6(-5.5,3.5) H17(5.5,3.5) H18(6.5,3.5) H19(7.5,3.5) H20(8.5,3.5) H21(9.5,3.5) H22(10.5,3.5) J1(-10.5,2.5) J2(-9.5,2.5) J3(-8.5,2.5) J4(-7.5,2.5) J5(-6.5,2.5) J6(-5.5,2.5) J9(-2.5,2.5) J10(-1.5,2.5) J11(-0.5,2.5) J12(0.5,2.5) J13(1.5,2.5) J14(2.5,2.5) J17(5.5,2.5) J18(6.5,2.5) J19(7.5,2.5) J20(8.5,2.5) J21(9.5,2.5) J22(10.5,2.5) K1(-10.5,1.5) K2(-9.5,1.5) K3(-8.5,1.5) K4(-7.5,1.5) K5(-6.5,1.5) K6(-5.5,1.5) K9(-2.5,1.5) K10(-1.5,1.5) K11(-0.5,1.5) K12(0.5,1.5) K13(1.5,1.5) K14(2.5,1.5) K17(5.5,1.5) K18(6.5,1.5) K19(7.5,1.5) K20(8.5,1.5) K21(9.5,1.5) K22(10.5,1.5) L1(-10.5,0.5) L2(-9.5,0.5) L3(-8.5,0.5) L4(-7.5,0.5) L5(-6.5,0.5) L6(-5.5,0.5) L9(-2.5,0.5) L10(-1.5,0.5) L11(-0.5,0.5) L12(0.5,0.5) L13(1.5,0.5) L14(2.5,0.5) L17(5.5,0.5) L18(6.5,0.5) L19(7.5,0.5) L20(8.5,0.5) L21(9.5,0.5) L22(10.5,0.5) M1(-10.5,-0.5) M2(-9.5,-0.5) M3(-8.5,-0.5) M4(-7.5,-0.5) M5(-6.5,-0.5) M6(-5.5,-0.5) M9(-2.5,-0.5) M10(-1.5,-0.5) M11(-0.5,-0.5) M12(0.5,-0.5) M13(1.5,-0.5) M14(2.5,-0.5) M17(5.5,-0.5) M18(6.5,-0.5) M19(7.5,-0.5) M20(8.5,-0.5) M21(9.5,-0.5) M22(10.5,-0.5) N1(-10.5,-1.5) N2(-9.5,-1.5) N3(-8.5,-1.5) N4(-7.5,-1.5) N5(-6.5,-1.5) N6(-5.5,-1.5) N9(-2.5,-1.5) N10(-1.5,-1.5) N11(-0.5,-1.5) N12(0.5,-1.5) N13(1.5,-1.5) N14(2.5,-1.5) N17(5.5,-1.5) N18(6.5,-1.5) N19(7.5,-1.5) N20(8.5,-1.5) N21(9.5,-1.5) N22(10.5,-1.5) P1(-10.5,-2.5) P2(-9.5,-2.5) P3(-8.5,-2.5) P4(-7.5,-2.5) P5(-6.5,-2.5) P6(-5.5,-2.5) P9(-2.5,-2.5) P10(-1.5,-2.5) P11(-0.5,-2.5) P12(0.5,-2.5) P13(1.5,-2.5) P14(2.5,-2.5) P17(5.5,-2.5) P18(6.5,-2.5) P19(7.5,-2.5) P20(8.5,-2.5) P21(9.5,-2.5) P22(10.5,-2.5) R1(-10.5,-3.5) R2(-9.5,-3.5) R3(-8.5,-3.5) R4(-7.5,-3.5) R5(-6.5,-3.5) R6(-5.5,-3.5) R17(5.5,-3.5) R18(6.5,-3.5) R19(7.5,-3.5) R20(8.5,-3.5) R21(9.5,-3.5) R22(10.5,-3.5) T1(-10.5,-4.5) T2(-9.5,-4.5) T3(-8.5,-4.5) T4(-7.5,-4.5) T5(-6.5,-4.5) T6(-5.5,-4.5) T17(5.5,-4.5) T18(6.5,-4.5) T19(7.5,-4.5) T20(8.5,-4.5) T21(9.5,-4.5) T22(10.5,-4.5) U1(-10.5,-5.5) U2(-9.5,-5.5) U3(-8.5,-5.5) U4(-7.5,-5.5) U5(-6.5,-5.5) U6(-5.5,-5.5) U7(-4.5,-5.5) U8(-3.5,-5.5) U9(-2.5,-5.5) U10(-1.5,-5.5) U11(-0.5,-5.5) U12(0.5,-5.5) U13(1.5,-5.5) U14(2.5,-5.5) U15(3.5,-5.5) U16(4.5,-5.5) U17(5.5,-5.5) U18(6.5,-5.5) U19(7.5,-5.5) U20(8.5,-5.5) U21(9.5,-5.5) U22(10.5,-5.5) V1(-10.5,-6.5) V2(-9.5,-6.5) V3(-8.5,-6.5) V4(-7.5,-6.5) V5(-6.5,-6.5) V6(-5.5,-6.5) V7(-4.5,-6.5) V8(-3.5,-6.5) V9(-2.5,-6.5) V10(-1.5,-6.5) V11(-0.5,-6.5) V12(0.5,-6.5) V13(1.5,-6.5) V14(2.5,-6.5) V15(3.5,-6.5) V16(4.5,-6.5) V17(5.5,-6.5) V18(6.5,-6.5) V19(7.5,-6.5) V20(8.5,-6.5) V21(9.5,-6.5) V22(10.5,-6.5) W1(-10.5,-7.5) W2(-9.5,-7.5) W3(-8.5,-7.5) W4(-7.5,-7.5) W5(-6.5,-7.5) W6(-5.5,-7.5) W7(-4.5,-7.5) W8(-3.5,-7.5) W9(-2.5,-7.5) W10(-1.5,-7.5) W11(-0.5,-7.5) W12(0.5,-7.5) W13(1.5,-7.5) W14(2.5,-7.5) W15(3.5,-7.5) W16(4.5,-7.5) W17(5.5,-7.5) W18(6.5,-7.5) W19(7.5,-7.5) W20(8.5,-7.5) W21(9.5,-7.5) W22(10.5,-7.5) Y1(-10.5,-8.5) Y2(-9.5,-8.5) Y3(-8.5,-8.5) Y4(-7.5,-8.5) Y5(-6.5,-8.5) Y6(-5.5,-8.5) Y7(-4.5,-8.5) Y8(-3.5,-8.5) Y9(-2.5,-8.5) Y10(-1.5,-8.5) Y11(-0.5,-8.5) Y12(0.5,-8.5) Y13(1.5,-8.5) Y14(2.5,-8.5) Y15(3.5,-8.5) Y16(4.5,-8.5) Y17(5.5,-8.5) Y18(6.5,-8.5) Y19(7.5,-8.5) Y20(8.5,-8.5) Y21(9.5,-8.5) Y22(10.5,-8.5)
